# Altium PCB ThereMightBeNoise.PcbDoc (part 3 of 3) (continued)
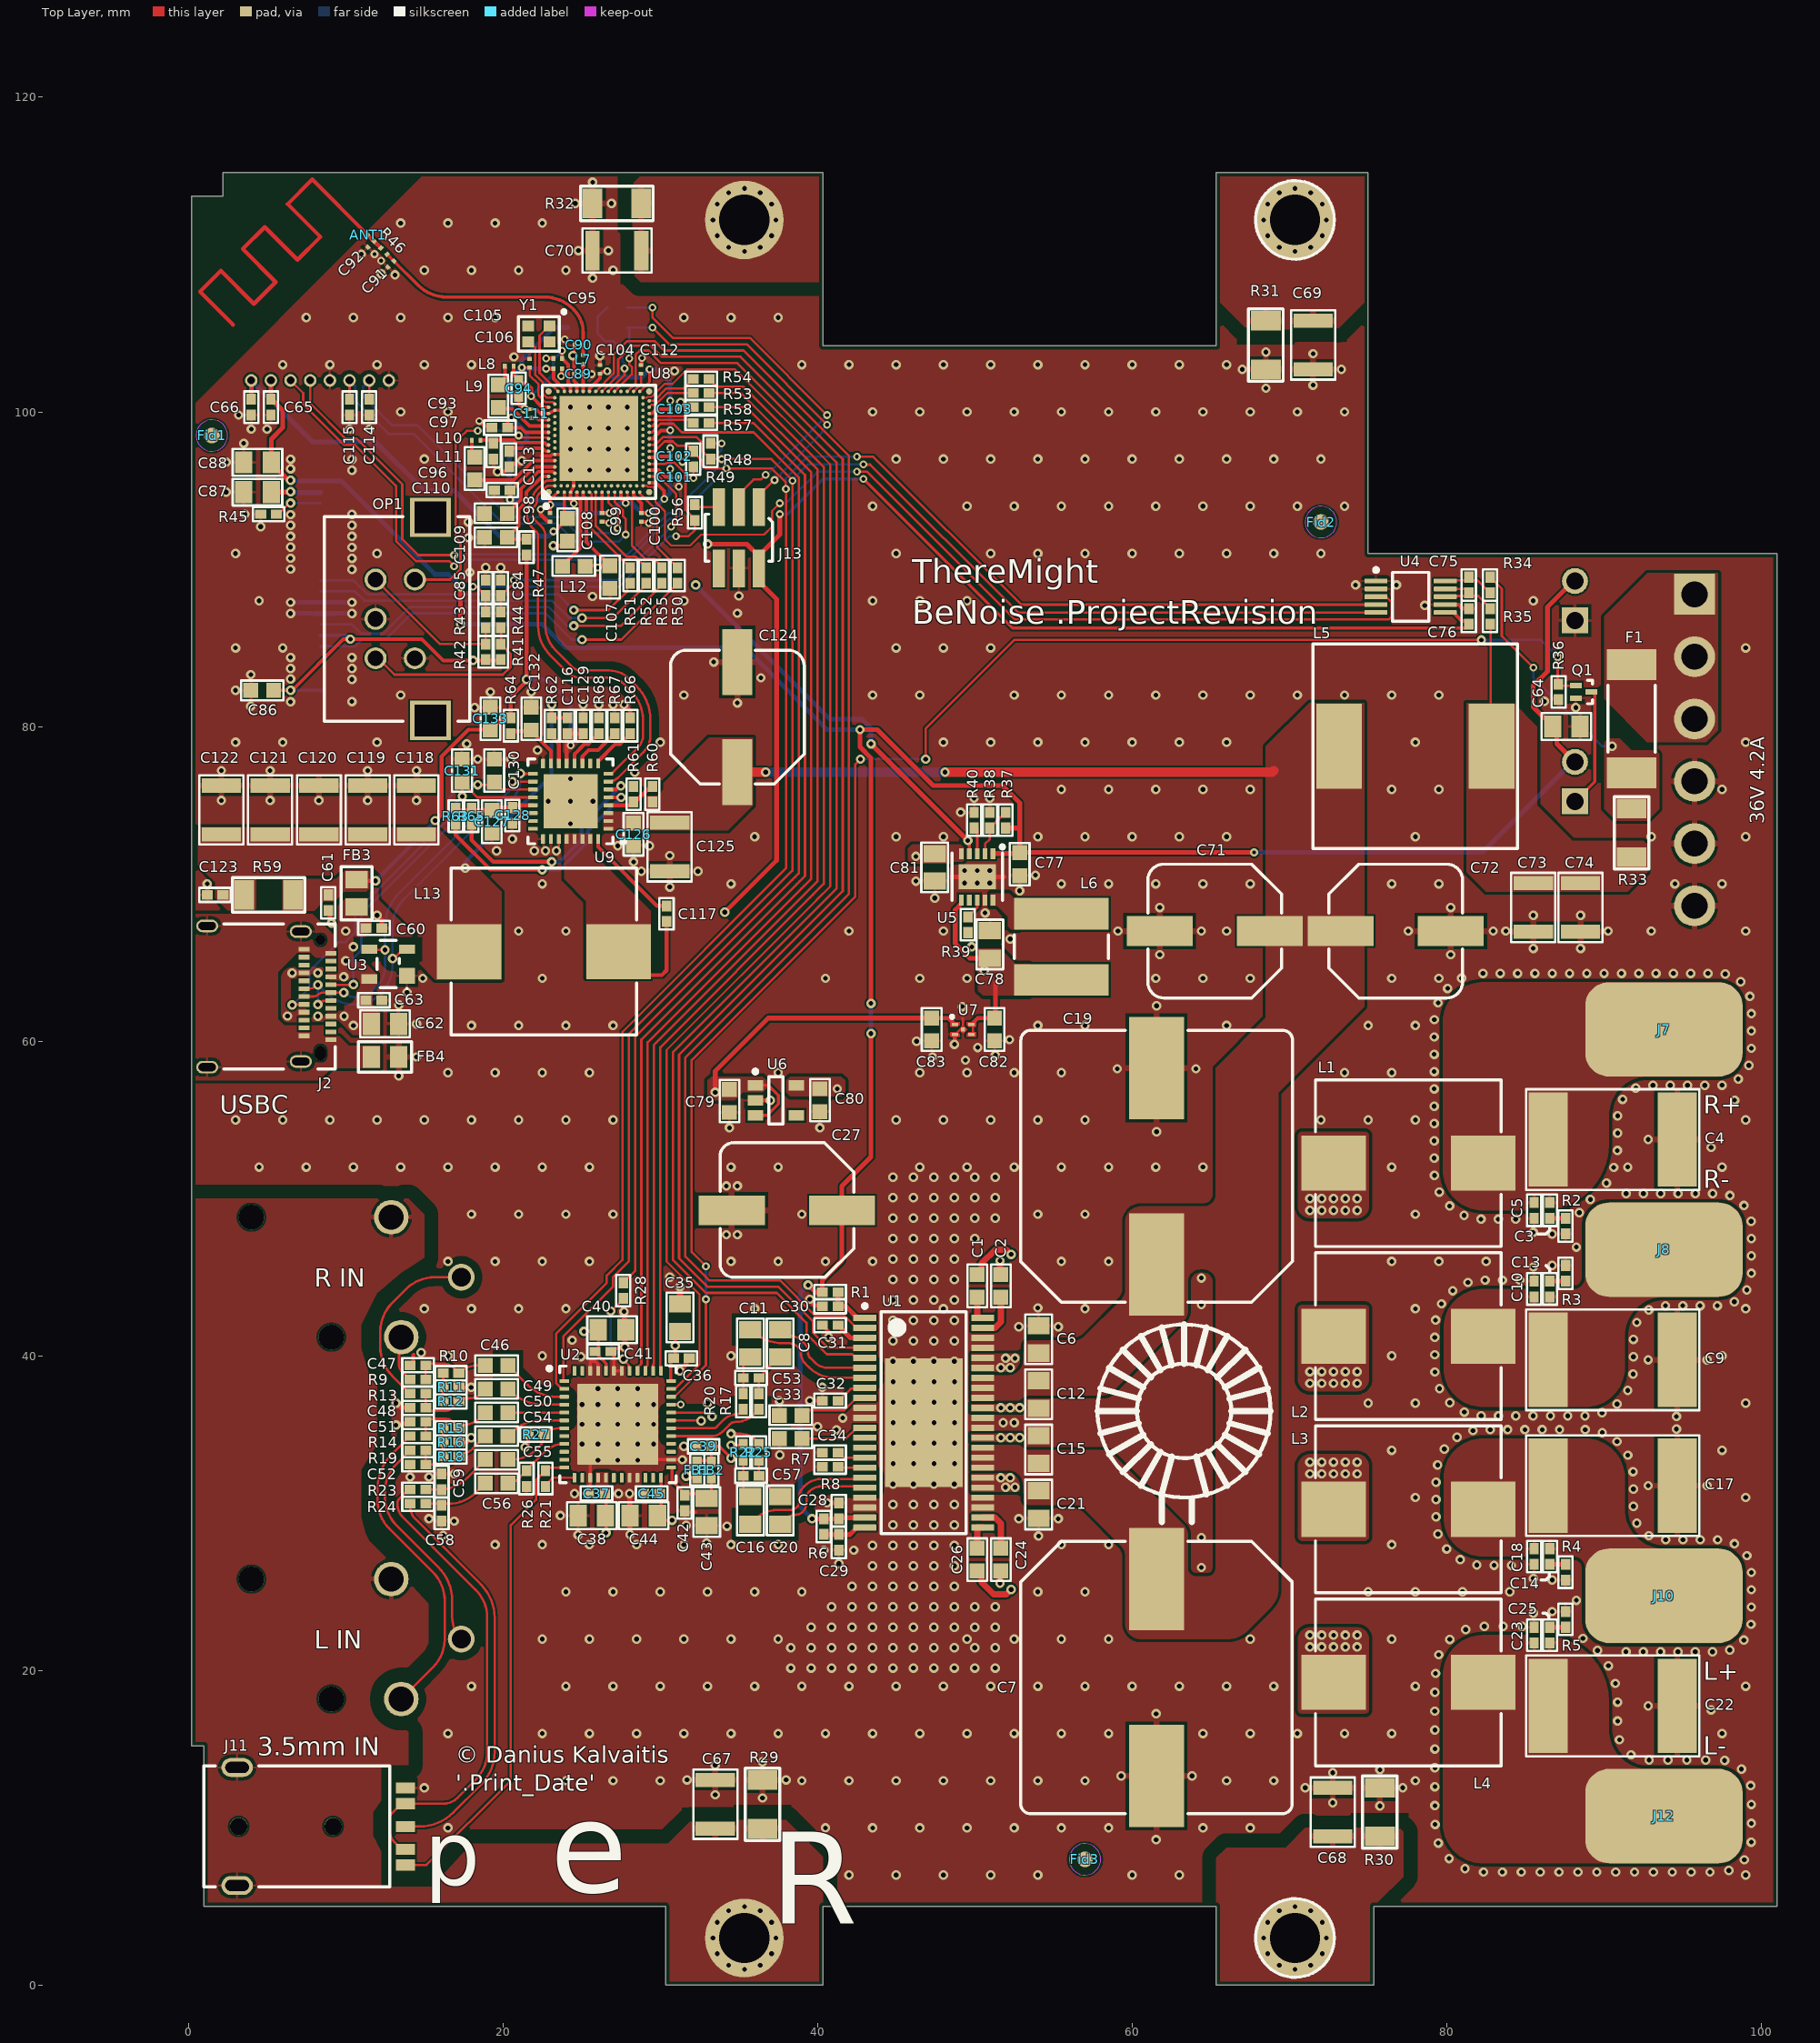
[diagram p0: Top Layer view]
## Nets (pads, with @x,y where several pads share a name; then routed paths per layer and width w, separated by ;. In a path a pad name is that pad's centre, name@x,y a point inside that pad or via, vN(x,y) a via of type N, cw(c..) or ccw(c..) an arc to the next point about the centre after c; other vN are vias at no path point) (continued)
NetR39_2: R39.2 U5.8 | length 1.3
  Top Layer w0.15: R39.2@49.55,67.9 50.15,68.5 U5.8@50.15,68.975
NetR40_2: R40.2 U5.3 | length 1.7
  Top Layer w0.15: R40.2@50.15,73.55 50.15,71.951 U5.3@50.201,71.9
NetR60_1: R60.1 R61.2 U9.4 | length 3.3
  Top Layer w0.25: U9.4@26.7,75 28.1,75 R61.2@28.3,75.2 28.401,75.2 29.401,76.2 R60.1@29.5,76.2
NetR62_1: R62.1 U9.14 | length 2.1
  Top Layer w0.25: R62.1@23.1,79.55 23.1,79.375 23.55,78.925 U9.14@23.55,77.65
NetR63_2: R63.2 U9.5 | length 15.2
  Top Layer w0.25: R63.2@17,73.8 17,73.1 19.2,70.9 v1(22.5,70.9) ; U9.5@26.7,75.5 v1@27.5,75.5 ; v1@27.5,75.501 v1(27.51,75.501)
  Bottom Layer w0.25: v1(22.5,70.9) 23.6,70.9 25.4,72.7 25.4,73.391 v1(27.51,75.501)
NetR65_2: R65.2 U9.6 | length 14.6
  Top Layer w0.25: R65.2@18,73.8 18,72.8 19.4,71.4 22.291,71.4 22.292,71.401 22.708,71.401 22.709,71.4 23.099,71.4 v1(23.1,71.401) ; U9.6@26.6,76 27.2,76 27.428,76.228 v1(27.5,76.228)
  Bottom Layer w0.25: v1(23.1,71.401) 23.101,71.4 23.6,71.4 25,72.8 25,73.7 27.5,76.2 v1(27.5,76.228)
NetR66_2: R66.2 U9.9 | length 2.9
  Top Layer w0.25: U9.9@26.05,77.65 26.05,77.8 27.15,78.9 27.45,78.9 R66.2@28.1,79.55
NetR67_2: R67.2 U9.11 | length 3.1
  Top Layer w0.25: U9.11@25.05,77.65 25.05,78.1 25.45,78.5 26.05,78.5 26.45,78.9 R67.2@27.1,79.55
NetR68_2: R68.2 U9.12 | length 2.7
  Top Layer w0.25: U9.12@24.55,77.65 24.55,78.25 25.2,78.9 25.45,78.9 R68.2@26.1,79.55
NFC1: C114.1 J5.2 U8.W1 | length 24.8
  Top Layer w0.15: C114.1@11.5,100.8 J5.2@11.5,102 ; U8.W1@26.7,94.9 26.7,94.25 27.3,93.65 v3@27.3,92.6
  Bottom Layer w0.15: J5.2@11.5,102 11.1,101.6 11.1,101 12.95,99.15 14.55,99.15 20.4,93.3 23.7,93.3 24.7,92.3 27.002,92.3 v3(27.301,92.599)
NFC2: C115.2 J5.3 U8.AA1 | length 26.7
  Top Layer w0.15: C115.2@10.25,100.8 J5.3@10.25,102 ; U8.AA1@27.1,94.9 27.1,94.275 27.625,93.75 27.625,93.375 27.8,93.2 v3(27.799,92.2)
  Bottom Layer w0.15: J5.3@10.25,102 10.6,101.65 10.6,100.722 12.722,98.6 14.322,98.6 20.022,92.9 23.45,92.9 24.6,91.75 27.349,91.75 v3(27.799,92.2)
OLED.SCLK: DS1.18 R52.1 | length 22.4
  Top Layer w0.15: v1(25.028,86.899) 25.042,86.886 26.986,86.886 29.1,89 R52.1@29.1,89.1
  Bottom Layer w0.15: DS1.18@8.425,88.591 10.609,88.591 11.2,88 23.1,88 24.2,86.9 v1@25.028,86.9
OUT1_4_P: C1.2 L1.1 U1.39 U1.40 | length 9.9
  Top Layer w0.4: C1.2@50.15,45.175 50.425,45.45 50.425,45.875 51.3,46.75 52,46.75 v1(52.3,46.45)
  Int2 (PWR) w0.4: v1@52,39.85 52.05,39.9 52.05,45.581 52.3,45.831 v1(52.3,46.45)
  other v1: 51.65,39.25 52.25,39.25 51.95,39.85 52.55,39.85 71.3,49.25 72.05,49.25 72.8,49.25 73.55,49.25 74.3,49.25 71.3,50 72.05,50 72.8,50 73.55,50 74.3,50
OUT1_M_4: C2.2 L2.1 U1.35 | length 11
  Top Layer w0.4: v1(51.6,46.05) 51.6,45.325 51.7,45.225 C2.2@51.65,45.175
  Int2 (PWR) w0.4: v1(51.6,46.05) 51.3,45.75 51.3,41.55 50.8,41.05 50.8,38.75 51.8,37.75 51.8,36.85 v1@51.7,36.75
  other v1: 51.65,36.7 52.25,36.7 52.85,36.7 71.3,38.25 72.05,38.25 72.8,38.25 73.55,38.25 74.3,38.25 71.3,39 72.05,39 72.8,39 73.55,39 74.3,39
OUT2_4_P: C24.2 L3.1 U1.32 | length 9.9
  Top Layer w0.4: v1(51.6,25.55) 51.6,25.975 51.8,26.175 C24.2@51.65,26.325
  Int2 (PWR) w0.4: v1(51.6,25.55) 51.3,25.85 51.3,29.75 50.8,30.25 50.8,32.85 51.75,33.8
  other v1: 71.3,32.5 72.05,32.5 72.8,32.5 73.55,32.5 74.3,32.5 71.3,33.25 72.05,33.25 72.8,33.25 73.55,33.25 74.3,33.25 51.65,34.8 52.25,34.8 52.85,34.8
OUT2_M_4: C26.2 L4.1 U1.27 U1.28 | length 9.1
  Top Layer w0.4: C26.2@50.15,26.325 50.425,26.05 50.425,25.625 51.2,24.85 52,24.85 v1(52.3,25.15)
  Int2 (PWR) w0.4: 52.05,31 52.05,26.019 52.3,25.769 v1(52.3,25.15)
  other v1: 71.3,21.5 72.05,21.5 72.8,21.5 73.55,21.5 74.3,21.5 71.3,22.25 72.05,22.25 72.8,22.25 73.55,22.25 74.3,22.25 51.95,31.65 52.55,31.65 51.65,32.25 52.25,32.25
OUTL_N: C22.1 C23.1 C25.1 J12.1 L4.2
OUTL_P: C14.2 C17.2 C18.2 J10.1 L3.2
OUTR_N: C9.1 C10.1 C13.1 J8.1 L2.2
OUTR_P: C3.2 C4.2 C5.2 J7.1 L1.2
P0.00/XL1: R51.2 U8.N1 | length 5.9
  Top Layer w0.15: U8.N1@25.5,94.9 25.625,94.775 25.625,92.575 27.3,90.9 R51.2@28.1,90.1
P0.01/XL2: R52.2 U8.R1 | length 6.5
  Top Layer w0.15: U8.R1@25.9,94.9 25.9,92.75 27.85,90.8 28.415,90.8 29.1,90.115 R52.2@29.1,90.1
P0.04/AIN0: U8.V2
P0.05/AIN1: U8.Y2
P0.06/AIN2: U8.AB2
P0.07/AIN3: U8.AD2
P0.08: U8.AH2
P0.09: R50.2 U8.AJ1 | length 5.8
  Top Layer w0.15: U8.AJ1@28.7,94.9 28.7,94.8 29.8,93.7 29.8,91.4 R50.2@31.1,90.1
P0.11: U8.AK4
P0.12: U8.AK6
P0.14/QSPI1: U8.AK8
P0.15/QSPI2: U8.AK10
P0.17/QSPI_CLK: U8.AK12
P0.18/QSPI_CS: U8.AK14
P0.20: U8.AK16
P0.22: U8.AK18
P0.23: U8.AK20
P0.24: R53.2 U8.AL27 | length 3.2
  Top Layer w0.15: U8.AL27@29.3,100.3 29.45,100.45 29.7,100.45 30.45,101.2 R53.2@32.1,101.2
P0.25/AIN4: U8.AK28
P0.26/AIN5: R54.2 U8.AL29 | length 3.4
  Top Layer w0.15: U8.AL29@29.3,100.7 29.6,100.7 30.4,101.5 31.5,101.5 R54.2@32.1,102.1
P0.30: U8.B24
P0.31: U8.B22
P1.00: U8.M2
P1.01: U8.P2
P1.02/I2C: R55.2 U8.AE1 | length 6.1
  Top Layer w0.15: U8.AE1@27.9,94.9 27.914,94.886 27.914,94.653 28.201,94.366 28.201,94.034 28.2,94.032 28.2,91.5 29.05,90.65 29.65,90.65 30.1,90.2 R55.2@30.1,90.1
P1.03/I2C: U8.AF2
P1.05: U8.AK22
P1.06: R57.2 U8.AL21 | length 3
  Top Layer w0.15: U8.AL21@29.3,99.1 29.5,99.1 29.9,99.5 31.9,99.5 R57.2@32.1,99.3
P1.07: U8.AK24
P1.08: R58.2 U8.AL23 | length 3.1
  Top Layer w0.15: U8.AL23@29.3,99.5 29.55,99.5 29.785,99.735 31.535,99.735 R58.2@32.1,100.3
P1.09: U8.AK26
P1.11: U8.B20
P1.12: U8.B18
P1.14: U8.B16
P1.15: U8.B14
PWR_ALERT: U4.3 U8.AK2 | length 59.2
  Top Layer w0.127: U8.AK2@28.9,95.3 29.143,95.3 29.204,95.24 29.521,95.24 29.7,95.061 29.7,94.275 30.3,93.675 30.3,91.892 30.692,91.5 31.9,91.5 32.6,92.2 36.6,92.2 37.106,92.706 37.106,93.7 v3(37.599,94.193)
  Top Layer w0.15: v3(42.5,96.2) 43.154,96.2 52.554,86.8 76.3,86.8 76.5,87 76.5,87.9 76.15,88.25 U4.3@75.5,88.25
  Bottom Layer w0.15: v3(37.599,94.193) 37.993,94.193 40,96.2 v3(42.5,96.2)
R\E\S\E\T\: U8.AC31
RF_7: C90.2 C91.2 L7.2 R46.1 | length 16.2
  Top Layer w0.21: R46.1@12.631,110.026 C91.2@13.073,109.584 14.614,108.044 ccw(c16.41,109.84) 16.41,107.3 22.648,107.3 cw(c22.648,104.76) 24.444,106.556 24.5,106.5 cw(c23.051,105.051) 25.1,105.051 C90.2@25.1,104.258 L7.2@25.1,103.608
RIGHTLO_3_N: R20.1 U2.30 | length 5.2
  Top Layer w0.15: U2.30@30.895,35.37 30.73,35.37 U2.30@30.7,35.4 33.359,35.4 ccw(c33.359,35.741) 33.6,35.5 34.068,35.968 cw(c34.798,35.238) 34.798,36.27 34.8,36.27 ccw(c34.8,36.62) 35.047,36.372 R20.1@35.275,36.6
RIGHTLO_3_P: R17.1 U2.29 | length 6.1
  Top Layer w0.15: U2.29@30.7,34.9 33.288,34.9 ccw(c33.288,35.809) 33.931,35.166 34.398,35.634 cw(c34.8,35.232) 34.8,35.8 ccw(c34.8,37.43) 35.952,36.277 R17.1@36.275,36.6
SWC_8: J13.2 J14.3 U8.W31 | length 31.5
  Top Layer w0.15: U8.W31@26.7,101.3 27.728,102.328 v3(27.728,102.756) ; v3(29.5,106.635) 29.5,106 30.8,104.7 35.7,104.7 v3(40.6,99.8) ; J13.2@35,93.95 35,94.769 35.931,95.7 36.403,95.7 36.7,95.997 v3(36.7,95.999)
  Bottom Layer w0.15: J14.3@26.635,106.635 26,106 26,105 26.5,104.5 27,104.5 27.6,103.9 27.6,103.2 27.728,103.072 v3(27.728,102.756) ; J14.3@27.887,106.635 v3(29.5,106.635) ; v3(36.7,95.999) 36.799,95.999 40.057,99.257 v3(40.6,99.8)
SWD_8: J13.1 J14.4 U8.AA31 | length 27.1
  Top Layer w0.15: U8.AA31@27.1,101.3 28.2,102.4 28.2,102.849 28.034,103.016 v3(28.034,103.4) ; v3(29.5,105.365) 30.565,104.3 35.5,104.3 40.6,99.2 v3(40.6,99.173) ; J13.1@36.27,93.95 36.27,94.704 37.266,95.7 37.3,95.7 v3(37.266,95.666)
  Bottom Layer w0.15: v3(28.034,103.4) 28.034,105.218 J14.4@27.887,105.365 v3(29.5,105.365) ; v3(37.266,95.666) 40.3,98.7 40.3,98.873 v3(40.6,99.173)
VBUS: C61.2 C116.2 C129.2 C133.2 FB3.2 R47.1 R59.2 R64.2 U9.13 | length 36.2
  Top Layer w0.2: FB3.2@10.7,70.2 FB3.2@10.7,70.275
  Top Layer w0.25: FB3.2@10.7,70.2 v1(11.9,70.2) ; v1(15.7,74.027) 15.713,74.013 16.1,74.4 16.1,78.1 17.8,79.8 19.2,79.8 19.8,80.4 20.5,80.4 R64.2@20.5,80.55 20.5,81.9 v1@21.5,82.9 ; v1(21.5,83) R47.1@21.5,90.9 ; U9.13@24.05,77.65 24.05,79.5 C116.2@24.1,79.55 C129.2@25.1,79.55
  Bottom Layer w0.25: v1(11.9,70.2) 15.7,74 v1(15.7,74.027) ; v1(21.5,83) 22.8,83 24.3,81.5 v3(24.3,78.8)
XC1_7: U8.C31 Y1.1 | length 4.6
  Top Layer w0.15: Y1.1@22.7,105.2 22.675,105.2 22.325,104.85 22.325,102.475 U8.C31@23.5,101.3
XC2_7: U8.B30 Y1.3 | length 4.6
  Top Layer w0.15: Y1.3@21.625,104.475 21.675,104.475 22.048,104.102 22.048,102.36 22.538,101.87 22.538,101.162 22.8,100.9 U8.B30@23.3,100.9
pads on no net: DS1.2 DS1.3 DS1.4 DS1.5 DS1.6 DS1.7 Fid1.0 Fid2.0 Fid3.0 J2. J2.A2 J2.A3 J2.A8 J2.A10 J2.A11 J2.B2 J2.B3 J2.B8 J2.B10 J2.B11 J6.MH1 J6.MH2 J9.MH1 J9.MH2 J11. J13.4 OP1.SH1 OP1.SH2 U1.13 U1.14 U2.8 U2.10 U2.11 U2.14 U2.18 U2.19 U2.22 U2.23 U2.27 U2.28 U2.47 U2.48 U5.7 U6.4 U8. U8.A1 U8.A31 U8.AL1 U8.AL31 U8.D2 U8.F2 U8.K2 U8.T2 U9. U9.10 U9.22 U9.23 U9.24 Y1.2 Y1.4

## Polygon pours and split planes (outlines as drawn)
GND_Chassis3 on Top Layer "GND_CHASSIS3_L01_P1567" (solid, remove dead copper, pour order 1567): 40.35,115.2 28.95,115.2 28.25,114.5 28.25,108.75 28.75,108.25 40.35,108.25
GND_Chassis2 on Top Layer "GND_CHASSIS2_L01_P1569" (solid, remove dead copper, pour order 1569): 65.35,115.2 75,115.2 75,107.2 73.05,105.25 67.3,105.25 65.35,107.2
GND_Chassis1 on Top Layer "GND_CHASSIS1_L01_P1571" (solid, remove dead copper, pour order 1571): 65.35,0 65.35,8.1 66,8.75 69.75,8.75 71,10 77,10 77.25,9.75 77.25,6.9 75.35,5 75.35,0
DRVDD on Top Layer "DRVDD_CODEC" (solid, remove dead copper, pour order 1545): 26.1,31.2 26.1,31.6 25.9,31.8 25.9,32.6 26.7,32.6 26.7,31.8 26.8,31.7 26.8,31.2
GND_Chassis0 on Top Layer "GND_CHASSIS0_L01_P1577" (solid, remove dead copper, pour order 1577): 0,50 14,50 15,49 15,46.25 13.5,45.25 12,44 11,42 11,40.5 11.5,38.75 12,38.25 12,34.25 11.75,34 11,32.75 11,29.75 11.25,28.75 11.5,28.25 12.5,27.25 15.25,24.25 15.25,21.75 15,21.25 14,20.25 14,14 12.25,14 12.25,11.75 11.75,11 11.75,9.5 12.25,8.5 12.25,6.25 15.5,6.25 18,9 30.5,9 32,10.5 38,10.5 40.35,8.15 40.35,0 0,0
GND on Top Layer "GND_L01_P1578" (solid, remove dead copper, pour order 1578): 0,0 101,0 101,116 0,116
NetL6_1 on Top Layer "5V_BUCK_L1" (solid, pour order 1549): 51,69.4 52.2,69.4 52.8,68.8 52.8,67.1 52.3,67.1 52.1,67.3 52.1,67.9 51.4,68.6 51,68.6
5V on Top Layer "5V_BUCK_L2" (solid, pour order 1555): 50.2,65.9 51.6,65.9 52.6,64.9 53.5,64.9 53.5,62.9 50.5,62.9 50.2,63.2
VBUS on Top Layer "VBUS" (solid, pour order 1548): 24.2,78.3 25.1,79.2 25.4,79.2 25.4,79.9 23.8,79.9 23.8,78.4 23.9,78.3
A3.3V on Top Layer "A3.3V_CAP" (solid, pour order 1552): 49.3,71.5 49.2,71.4 48.6,71.4 48.5,71.3 45.95,71.3 45.75,71.5 45.75,72.25 46,72.5 49.1,72.5 49.3,72.3
3.3V on Top Layer "1.8V_LDO_IN" (solid, pour order 1554): 36.5,57.75 36.75,57.5 36.75,57 36.5,56.75 35.25,56.75 34.75,56.25 33.25,56.25 33,56.5 33,57.5 33.25,57.75
1.8V on Top Layer "1.8V_CAP" (solid, pour order 1553): 38.25,57.75 38,57.5 38,56.75 38.25,56.5 41.5,56.5 41.75,56.75 41.75,57.5 41.5,57.75
NetC73_2 on Top Layer "FUSE2" (solid, pour order 1566): 92.5,72.75 92.75,72.5 92.75,70.75 91.5,69.5 82.5,69.5 81.25,70.75 81.25,81.5 84.25,81.5 85.75,80 85.75,75 88,72.75
NetF1_2 on Top Layer "FUSE1" (solid, pour order 1557): 90,79 90.25,79.25 91,79.25 91.75,78.5 93.25,78.5 93.5,78.25 93.5,74.75 92.75,74 90.75,74 90,74.75
36V_UNF on Top Layer "36V_UNF" (solid, pour order 1565): 90,87 92.75,89.75 97.25,89.75 97.25,79.75 96.5,79 92.734,79.016 90,81.75
36V on Top Layer "36V_USB_CHARG_IN" (solid, pour order 1564): 26.4,74.6 26.4,73.4 34.3,73.4 35.9,75 35.9,79.3 33.1,79.3 30.2,76.4 30.2,76 29.8,75.6 29.2,75.6 29.1,75.5 29.1,74.9 28.8,74.6
NetC117_2 on Top Layer "USB_CHARG_L_OUT" (solid, pour order 1563): 23.9,73.2 25.7,73.2 25.7,72 29.4,68.3 29.4,64 25.3,64 25.3,68.9 23.9,70.3
NetFB4_2 on Top Layer "Top Layer-NetFB4_2" (solid, pour order 1568): 9.1,58.3 12.2,58.3 12.2,59.7 10.2,59.7 9.6,60.3 9.5,60.3 9.5,60.8 9.3,61 6.1,61 5.7,61.4 5.7,64.4 6.89,65.59 7.8,65.59 8.09,65.3 9.5,65.3 9.5,66.5 7.9,68.1 0.2,68.1 0.2,57.5 8.3,57.5
VBUS on Top Layer "VBUS_L01_P1556" (solid, pour order 1556): 6,70.3 9.4,70.3 10,70.9 11.4,70.9 11.5,70.8 11.5,69.7 11.3,69.5 9.9,69.5 9.3,68.9 8.6,68.9 8,68.3 6,68.3
NetC116_1 on Top Layer "USBC_PWR" (solid, pour order 1570): 19.9,63.9 19.9,69.5 15.8,73.6 0.8,73.6 0.6,73.4 0.6,71.2 1.7,70.1 1.7,69.1 2.6,68.2 4.1,68.2 4.3,68.4 4.3,70.3 4.5,70.5 9.3,70.5 10,71.2 11.6,71.2 12.3,70.5 12.3,69.1 14.6,66.8 14.6,65 15.7,63.9
NetC60_2 on Top Layer "Top Layer-NetC47_2" (solid, pour order 1562): 9.633,61.242 10.475,60.4 12.2,60.4 12.2,61.8 11.7,62.3 11.7,63.3 12,63.6 12,64.25 10.8,65.45 10.8,66.2 11.65,67.05 11.65,67.75 11.4,68 11.4,69.1 10,69.1 9.5,68.6 9.5,64.7 6.6,64.7 ccw(c6.6,64) 5.9,64 5.9,61.697 ccw(c6.391,61.697) 6.391,61.206 ccw(c6.391,61.697) 6.397,61.206
OUT1_M_4 on Top Layer "OUT1_M_4_L01_P1546" (solid, pour order 1546): 52.9,36.45 ccw(c52.9,36.65) 53.1,36.65 53.1,36.75 ccw(c52.9,36.75) 52.9,36.95 49.756,36.95 49.756,36.45
OUT2_4_P on Top Layer "OUT2_4_P_L01_P1547" (solid, pour order 1547): 52.9,34.55 ccw(c52.9,34.75) 53.1,34.75 53.1,34.85 ccw(c52.9,34.85) 52.9,35.05 49.756,35.05 49.756,34.55
OUT1_4_P on Top Layer "OUT1_4_P_L01_P1550" (solid, pour order 1550): 52.85,39.85 52.85,40 ccw(c52.7,40) 52.7,40.15 49.8,40.15 49.8,38.975 52.125,38.975 ccw(c52.125,39.7) 52.85,39.7
OUT2_M_4 on Top Layer "OUT2_M_4_L01_P1551" (solid, pour order 1551): 52.85,31.65 52.85,31.5 cw(c52.7,31.5) 52.7,31.35 49.8,31.35 49.8,32.525 52.125,32.525 cw(c52.125,31.8) 52.85,31.8
OUT1_M_4 on Top Layer "OUT1_M_4_L01_P1558" (solid, pour order 1558): 71.3,37.75 cw(c71.3,38.5) 70.55,38.5 70.55,43 cw(c70.8,43) 70.8,43.25 74.8,43.25 cw(c74.8,43) 75.05,43 75.05,38.5 cw(c74.3,38.5) 74.3,37.75
OUT1_4_P on Top Layer "OUT1_4_P_L01_P1559" (solid, pour order 1559): 71.3,48.75 cw(c71.3,49.5) 70.55,49.5 70.55,54 cw(c70.8,54) 70.8,54.25 74.8,54.25 cw(c74.8,54) 75.05,54 75.05,49.5 cw(c74.3,49.5) 74.3,48.75
OUT2_4_P on Top Layer "OUT2_4_P_L01_P1560" (solid, pour order 1560): 74.3,33.75 cw(c74.3,33) 75.05,33 75.05,28.5 cw(c74.8,28.5) 74.8,28.25 70.8,28.25 cw(c70.8,28.5) 70.55,28.5 70.55,33 cw(c71.3,33) 71.3,33.75
OUT2_M_4 on Top Layer "OUT2_M_4_L01_P1561" (solid, pour order 1561): 74.3,22.75 cw(c74.3,22) 75.05,22 75.05,17.5 cw(c74.8,17.5) 74.8,17.25 70.8,17.25 cw(c70.8,17.5) 70.55,17.5 70.55,22 cw(c71.3,22) 71.3,22.75
36V on Top Layer "36V Top Layer" (solid, pour order 1576): 49.8,34.325 49.8,32.725 52,32.725 cw(c52.001,31.761) 52.683,32.442 52.8,32.325 cw(c52.081,31.604) 53.1,31.603 53.1,30.925 ccw(c53.5,30.925) 53.5,30.525 56.276,30.525 cw(c56.276,29.502) 57,30.225 59.317,27.908 cw(c58.646,27.3) 59.551,27.3 cw(c59.108,27.288) 59.551,27.285 cw(c59.031,27.285) 59.55,27.25 59.55,26.75 59.55,23 ccw(c60.55,23) 60.55,22 66.05,22 ccw(c66.05,23.81) 67.33,22.53 68.77,23.97 ccw(c67.492,25.248) 69.3,25.249 69.3,54 69.3,55.757 69.3,56.74 74.75,62.19 74.75,81.5 71.25,81.5 68.5,78.75 68.5,68.635 ccw(c76.265,68.416) 68.497,68.416 68.497,62.096 68.499,61.499 65.3,58.3 65.3,50.25 cw(c64.55,50.25) 64.55,49.5 60.55,49.5 ccw(c60.55,48.5) 59.55,48.5 59.55,44.75 59.55,44.25 cw(c59.257,44.224) 59.551,44.223 cw(c59.267,44.214) 59.552,44.21 cw(c58.629,44.206) 59.317,43.592 57,41.275 cw(c56.277,41.996) 56.277,40.975 53.5,40.975 ccw(c53.5,40.575) 53.1,40.576 53.1,39.899 cw(c52.077,39.898) 52.8,39.175 52.683,39.058 cw(c52.001,39.738) 52.001,38.775 49.8,38.775 49.8,37.175 52.5,37.175 52.759,37.175 ccw(c52.759,37.516) 53,37.275 53.059,37.334 cw(c53.399,36.994) 53.399,37.475 58.076,37.475 ccw(c58.076,38.499) 58.8,37.775 63.3,42.275 ccw(c62.552,42.938) 63.552,42.938 ccw(c63.166,42.949) 63.552,42.952 ccw(c62.905,42.954) 63.55,43 63.55,44.75 cw(c64.3,44.75) 64.3,45.5 64.55,45.5 cw(c64.55,44.75) 65.3,44.75 65.3,26.5 cw(c64.8,26.5) 64.801,26 64.05,26 cw(c64.05,26.5) 63.55,26.5 63.55,28.5 ccw(c63.064,28.54) 63.552,28.541 ccw(c63.25,28.551) 63.552,28.555 ccw(c62.541,28.558) 63.3,29.225 58.8,33.725 ccw(c58.078,33.006) 58.078,34.025 53.4,34.025 cw(c53.4,34.508) 53.059,34.166 53,34.225 ccw(c52.761,33.989) 52.761,34.325 52.5,34.325
OUTR_N on Top Layer "OUTR_N_L01_P1572" (solid, pour order 1572): 97.3,49.75 cw(c97.3,48.25) 98.8,48.25 98.8,45.25 cw(c97.3,45.25) 97.3,43.75 93.8,43.75 ccw(c93.8,41.25) 91.3,41.25 91.3,39.25 cw(c88.8,39.25) 88.8,36.75 82.3,36.75 cw(c82.3,39.25) 79.8,39.25 79.8,41.75 cw(c82.3,41.75) 82.3,44.25 88.05,44.25 ccw(c88.05,45) 88.8,45 88.8,48.25 cw(c90.3,48.25) 90.3,49.75
OUTL_P on Top Layer "OUTL_P_L01_P1573" (solid, pour order 1573): 93.8,27.75 97.3,27.75 cw(c97.3,26.25) 98.8,26.25 98.8,23.25 cw(c97.3,23.25) 97.3,21.75 93.8,21.75 90.3,21.75 cw(c90.3,23.25) 88.8,23.25 88.8,26.5 ccw(c88.05,26.5) 88.05,27.25 82.3,27.25 cw(c82.3,29.75) 79.8,29.75 79.8,32.25 cw(c82.3,32.25) 82.3,34.75 88.8,34.75 cw(c88.8,32.25) 91.3,32.25 91.3,30.25 ccw(c93.8,30.25)
OUTR_P on Top Layer "OUTR_P_L01_P1574" (solid, pour order 1574): 97.3,63.75 cw(c97.3,62.25) 98.8,62.25 98.8,59.25 cw(c97.3,59.25) 97.3,57.75 92.8,57.75 ccw(c92.8,55.25) 90.3,55.25 90.3,53.5 cw(c86.05,53.5) 86.05,49.25 82.3,49.25 cw(c82.3,51.79) 79.76,51.79 79.76,61.25 cw(c82.28,61.23) 82.3,63.75
OUTL_N on Top Layer "OUTL_N_L01_P1575" (solid, pour order 1575): 97.3,7.75 ccw(c97.3,9.25) 98.8,9.25 98.8,12.25 ccw(c97.3,12.25) 97.3,13.75 92.8,13.75 cw(c92.8,16.25) 90.3,16.25 90.3,18 ccw(c86.05,18) 86.05,22.25 82.3,22.25 ccw(c82.3,19.71) 79.76,19.71 79.76,10.25 ccw(c82.28,10.27) 82.3,7.75
GND on Int2 (PWR) "GND_L03_P1585" (solid, pour order 1585): 0,0 0,116 101,116 101,0
NetC60_2 on Int2 (PWR) "Int2 (PWR)-NetC47_2" (solid, pour order 1580): 9.633,61.242 10.275,60.6 10.7,60.6 11.3,61.2 11.3,66.9 10.8,67.4 9.7,67.4 9.5,67.2 9.5,66.1 8.1,64.7 6.6,64.7 ccw(c6.6,64) 5.9,64 5.9,61.697 ccw(c6.391,61.697) 6.391,61.206
OUT2_4_P on Int2 (PWR) "OUT2_4_P_L03_P1582" (solid, pour order 1582): 72.148,35.65 cw(c72.148,33.11) 73.944,34.906 74.1,34.75 cw(c72.41,33.06) 74.8,33.06 74.8,32.95 74.8,32.5 cw(c74.3,32.5) 74.3,32 68.3,32 cw(c68.3,33.207) 67.446,32.354 67.257,32.543 ccw(c65.55,30.836) 65.55,33.25 51.8,33.25 cw(c51.8,33.75) 51.3,33.75 51.3,34.75 cw(c51.8,34.75) 51.8,35.25 52.3,35.25 ccw(c52.309,35.954) 52.8,35.45 cw(c53.291,34.947) 53.3,35.65
OUT1_M_4 on Int2 (PWR) "OUT1_M_4_L03_P1581" (solid, pour order 1581): 72.148,35.85 ccw(c72.148,38.39) 73.944,36.594 74.1,36.75 ccw(c72.41,38.44) 74.8,38.44 74.8,38.55 74.8,39 ccw(c74.3,39) 74.3,39.5 68.3,39.5 ccw(c68.3,38.293) 67.446,39.146 67.257,38.957 cw(c65.55,40.664) 65.55,38.25 51.8,38.25 ccw(c51.8,37.75) 51.3,37.75 51.3,36.75 ccw(c51.8,36.75) 51.8,36.25 52.3,36.25 cw(c52.309,35.546) 52.8,36.05 ccw(c53.291,36.553) 53.3,35.85
OUT2_M_4 on Int2 (PWR) "OUT2_M_4_L03_P1583" (solid, pour order 1583): 74.8,23.5 ccw(c72.386,23.5) 74.093,25.207 73.8,25.5 67.3,32 67.007,32.293 ccw(c65.3,30.586) 65.3,33 52.05,33 51.8,33 ccw(c51.8,32.5) 51.3,32.5 51.3,31 ccw(c51.8,31) 51.8,30.5 51.8,30.503 62.05,30.5 cw(c62.05,28.086) 63.757,29.793 70.093,23.457 cw(c68.386,21.75) 70.8,21.75 70.8,21.5 ccw(c71.3,21.5) 71.3,21 74.3,21 ccw(c74.3,21.5) 74.8,21.5
OUT1_4_P on Int2 (PWR) "OUT1_4_P_L03_P1584" (solid, pour order 1584): 74.8,48 cw(c72.386,48) 74.093,46.293 73.8,46 67.3,39.5 67.007,39.207 cw(c65.3,40.914) 65.3,38.5 52.05,38.5 51.8,38.5 cw(c51.8,39) 51.3,39 51.3,40.5 cw(c51.8,40.5) 51.8,41 51.8,40.997 62.05,41 ccw(c62.05,43.414) 63.757,41.707 70.093,48.043 ccw(c68.386,49.75) 70.8,49.75 70.8,50 cw(c71.3,50) 71.3,50.5 74.3,50.5 cw(c74.3,50) 74.8,50
GND on Bottom Layer "GND_L04_P1586" (solid, remove dead copper, pour order 1586): 0,0 101,0 101,116 0,116
GND on Int1 (GND) "GND_L02_P1579" (solid, remove dead copper, pour order 1579): 0,0 101,0 101,116 0,116

## Keep-outs
Int1 (GND):
  region: 40.35,115.2 28.95,115.2 28.25,114.5 28.25,108.75 28.75,108.25 40.35,108.25
  region: 65.35,115.2 75,115.2 75,107.2 73.05,105.25 67.3,105.25 65.35,107.2
  region: 65.35,0 65.35,8.1 66,8.75 69.75,8.75 71,10 77,10 77.25,9.75 77.25,6.9 75.35,5 75.35,0
  region: 0,50 14,50 15,49 15,46.25 13.5,45.25 12,44 11,42 11,40.5 11.5,38.75 12,38.25 12,34.25 11.75,34 11,32.75 11,29.75 11.25,28.75 11.5,28.25 12.5,27.25 15.25,24.25 15.25,21.75 15,21.25 14,20.25 14,14 12.25,14 12.25,11.75 11.75,11 11.75,9.5 12.25,8.5 12.25,6.25 15.5,6.25 18,9 30.5,9 32,10.5 38,10.5 40.35,8.15 40.35,0 0,0

## Other copper
Top Layer:
  pour cut-out: 30,40 32.5,40 32.5,43 30,43
  pour cut-out: -0.059,100.059 -6.968,106.968 8.512,122.448 15.421,115.538
Int1 (GND):
  pour cut-out: -0.059,100.059 -6.968,106.968 8.512,122.448 15.421,115.538
Int2 (PWR):
  pour cut-out: -0.059,100.059 -6.968,106.968 8.512,122.448 15.421,115.538
Bottom Layer:
  pour cut-out: -0.059,100.059 -6.968,106.968 8.512,122.448 15.421,115.538

## Silkscreen, mask and mechanical layers (free items; w line width, h text height)
Top Overlay:
  circle w0.2: c70.35,3 r2.5
  circle w0.254: c63.3,36.5 r5.5
  circle w0.254: c63.3,36.5 r3
  circle w0.2: c70.35,112.2 r2.5
  lines w0.2: 85.8,47.75 86.3,47.75 86.55,48 86.55,48.225 ; 86,25.75 86.3,25.75 86.525,25.975 86.525,26.225 ; 86.1,23.65 86.3,23.65 86.5,23.45 86.5,23.3 ; 86.3,45.75 86.55,45.5 86.55,45.325
  lines w0.4: 57.8,36.5 60.3,36.5 ; 57.987,35.076 60.402,35.724 ; 57.987,37.924 60.402,37.276 ; 58.537,33.75 60.702,35 ; 58.537,39.25 60.702,38 ; 59.411,32.611 61.179,34.379 ; 59.411,40.389 61.179,38.621 ; 60.55,31.737 61.8,33.902 ; 60.55,41.263 61.8,39.098 ; 61.875,29.45 61.875,31.125 ; 61.876,31.187 62.524,33.602 ; 61.876,41.813 62.524,39.398 ; 63.292,42.006 63.3,39.5 ; 63.8,29.45 63.8,30.925 ; 64.076,33.602 64.724,31.187 ; 64.076,39.398 64.724,41.813 ; 64.8,33.902 66.05,31.737 ; 64.8,39.098 66.05,41.263 ; 65.421,34.379 67.189,32.611 ; 65.421,38.621 67.189,40.389 ; 65.898,35 68.063,33.75 ; 65.898,38 68.063,39.25 ; 66.198,35.724 68.613,35.076 ; 66.198,37.276 68.613,37.924 ; 66.3,36.5 68.8,36.5
  text "ThereMight / BeNoise .ProjectRevision" at 46,86 h2.6
  text "36V 4.2A" at 100.5,73.8 h1.52 r90
  text "USBC" at 2,55 h2
  text "R+" at 96.3,55 h2
  text "R-" at 96.3,50.25 h2
  text "R IN" at 8,44 h2
  text "L IN" at 8,21 h2
  text "L+" at 96.3,19 h2
  text "L-" at 96.3,14.25 h2
  text "3.5mm IN" at 4.4,14.2 h2
  text "© Danius Kalvaitis / '.Print_Date'" at 17,12 h1.8
  text "p" at 15,5 h7
  text "e" at 23,4 h10
  text "R" at 37,2 h10
Bottom Overlay:
  text "GND" at 22.3,106.4 h0.7
  text "SWC" at 31.6,106.3 h0.7
  text "SWD" at 31.6,105 h0.7
  text "3.3V" at 22.3,104.9 h0.7
  text "GND / NFC1 / NFC2 / GND / SCL / SDA / 12V / 5V" at 0.9,103.4 h0.65 r270
  text "+ /  / -" at 85,86 h0.7
  text "12V" at 90.5,83 h2
  text "+ /  / -" at 85,74.5 h0.7
  text "FAN" at 90.5,71.5 h2
  text "36V" at 90.5,66.5 h2
Top Solder:
  text "LD / Core" at 61.657,34.891 h2.2
Board Outline:
  lines w0.2: 0.2,15.2 0.2,56.94 0.2,68.74 0.2,113.7 2.2,113.7 2.2,115.2 40.35,115.2 40.35,104.2 65.35,104.2 65.35,115.2 75,115.2 75,108 75,91 101,91 101,5 75.35,5 75.35,0 65.35,0 65.35,5 40.35,5 40.35,0 30.35,0 30.35,5 1,5 1,15.2 0.2,15.2
Dimensions:
  lines w0.2: 30.35,-0.4 30.35,8 40.35,8 40.35,-0.4 ; 30.35,115.6 30.35,107.2 40.35,107.2 40.35,115.6 ; 65.35,-0.4 65.35,8 75.35,8 75.35,-0.4 ; 65.35,115.6 65.35,107.2 75.35,107.2 75.35,115.6 ; 20.95,-0.4 84.95,-0.4 84.95,115.6 20.95,115.6 20.95,-0.4
Drill Drawing:
  lines w0.2: 101,5 101,87.75

## Dimensions
0.2,113.7 to 101,91 on Dimensions
0,0 to 2.2,115.2 on Dimensions

## Text inside footprints (layer, text, board x,y; h text height)
ANT1: Assembly Top "Keepout" at 8.36,111.092 h0.8 r45
DS1: Bottom Overlay "1" at 6.425,76.841 h1 r90; Bottom Overlay "30" at 6.425,97.341 h1 r90
J11: Assembly Top ">PCB EDGE" at 1.2,14.19 h0.6